# Altium PCB Bran_Main_Assay_PCB_v2.PcbDoc (part 9 of 15) (continued)
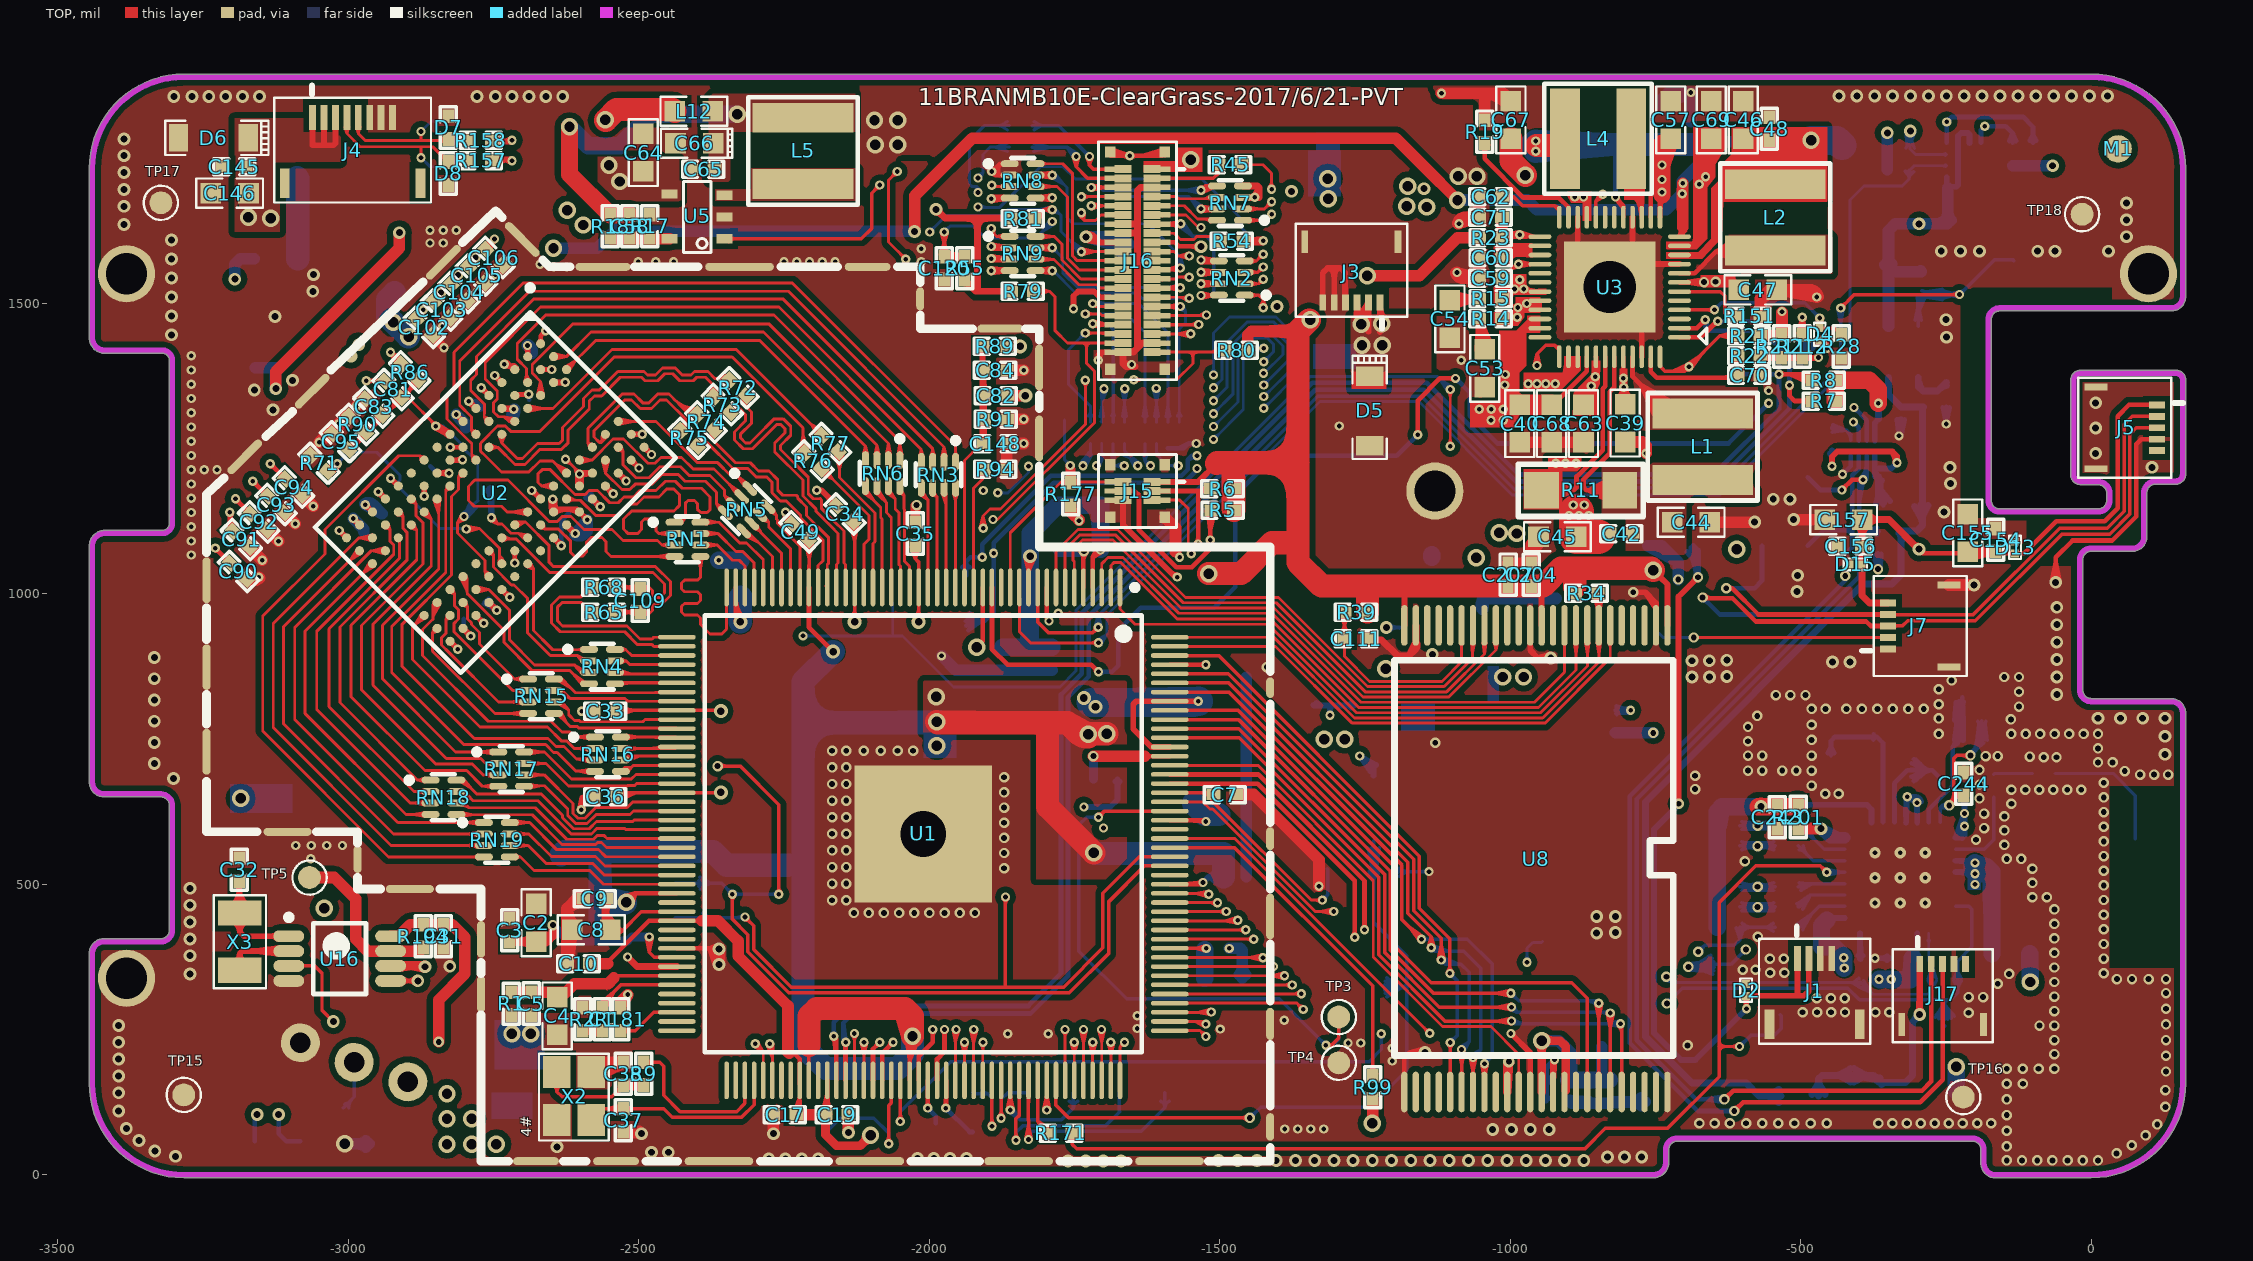
[diagram p0: TOP view]
## Nets (pads, with @x,y where several pads share a name; then routed paths per layer and width w, separated by ;. In a path a pad name is that pad's centre, name@x,y a point inside that pad or via, vN(x,y) a via of type N, cw(c..) or ccw(c..) an arc to the next point about the centre after c; other vN are vias at no path point) (continued)
N16974977: J16.4 R46.1 | length 627.2
  TOP w6: v1@-1752.42,1752.31 -1747.46,1735 ; v1@-1752.32,1751.83 -1747.88,1744.05 ; v1@-1752.2,1751.39 -1747.05,1744.05 ; v1@-1751,1749.46 cw(c-1759.54,1740.93) -1747.46,1740.93 cw(c-1735.39,1740.93) v1@-1743.93,1749.46 ; v1@-1742.73,1751.39 -1747.88,1744.05 ; v1@-1742.6,1751.83 -1747.05,1744.05 ; v1@-1742.51,1752.31 -1747.46,1735 ; -1716.82,1715.35 J16.4@-1694.09,1715.35 ; J16.4@-1685.83,1715.35 J16.4@-1666.73,1715.35 J16.4@-1689.96,1715.35 -1727.82,1715.35 -1747.46,1735 ; -1747.88,1744.05 v1(-1747.46,1753) ; -1747.46,1735 v1(-1747.46,1753) ; -1747.46,1735 v1(-1747.46,1753) ; v1(-1747.46,1753) -1747.05,1744.05
  BOTTOM w6: R46.1@-1822.78,1769 -1763.46,1769 ; R46.1@-1819.97,1762.21 -1792.97,1769 ; R46.1@-1819.97,1775.79 -1792.97,1769 ; R46.1@-1819.2,1762.35 -1808.57,1768.44 ; R46.1@-1819.2,1775.65 -1808.57,1769.56 ; R46.1@-1818.6,1762.52 -1808.57,1769.56 ; R46.1@-1818.6,1775.48 -1808.57,1768.44 ; R46.1@-1815.97,1764.16 cw(c-1804.29,1752.48) -1804.29,1769 cw(c-1804.29,1785.52) R46.1@-1815.97,1773.84 ; v1@-1752.46,1753 ccw(c-1764.54,1753) -1756,1761.54 ccw(c-1747.46,1770.07) v1@-1747.46,1758 ; v1@-1751.37,1749.88 -1763.46,1769 ; v1@-1744.34,1756.9 -1763.46,1769 ; R46.1@-1820.81,1769 -1792.97,1769 ; R46.1@-1820.81,1769 -1808.57,1769.56 ; R46.1@-1820.81,1769 -1808.57,1768.44 ; -1763.46,1769 v1(-1747.46,1753) -1763.46,1769
N16975074: J16.2 R44.1 | length 473.8
  TOP w6: v1@-1729.39,1752.17 -1724.46,1738 ; v1@-1729.32,1751.83 -1724.88,1744.05 ; v1@-1729.2,1751.39 -1724.05,1744.05 ; v1@-1728,1749.46 cw(c-1736.54,1740.93) -1724.46,1740.93 cw(c-1712.39,1740.93) v1@-1720.93,1749.46 ; v1@-1719.73,1751.39 -1724.88,1744.05 ; v1@-1719.6,1751.83 -1724.05,1744.05 ; v1@-1719.53,1752.17 -1724.46,1738 ; -1716.82,1731.1 J16.2@-1694.09,1731.1 ; J16.2@-1685.83,1731.1 J16.2@-1666.73,1731.1 J16.2@-1689.96,1731.1 -1717.57,1731.1 -1724.46,1738 ; -1724.88,1744.05 v1(-1724.46,1753) ; -1724.46,1738 v1(-1724.46,1753) ; -1724.46,1738 v1(-1724.46,1753) ; v1(-1724.46,1753) -1724.05,1744.05
  BOTTOM w6: R44.1@-1822.78,1806 -1777.46,1806 v1(-1724.46,1753) ; R44.1@-1819.2,1799.35 -1808.57,1805.44 ; R44.1@-1819.2,1812.65 -1808.57,1806.56 ; R44.1@-1818.6,1799.52 -1808.57,1806.56 ; R44.1@-1818.6,1812.48 -1808.57,1805.44 ; R44.1@-1815.97,1801.16 cw(c-1804.29,1789.48) -1804.29,1806 cw(c-1804.29,1822.52) R44.1@-1815.97,1810.84 ; v1@-1729.46,1753 ccw(c-1741.54,1753) -1733,1761.54 ccw(c-1724.46,1770.07) v1@-1724.46,1758 ; -1808.57,1805.44 -1820.81,1806 -1808.57,1806.56
N16976082: J16.6 RN7.5 | length 1195.1
  TOP w6: v1@-1720.29,1694.75 -1712.52,1699.19 ; v1@-1720.31,1699.61 J16.6@-1689.96,1699.61 J16.6@-1666.73,1699.61 J16.6@-1685.83,1699.61 ; v1@-1720.29,1704.47 -1712.52,1700.02 ; v1@-1719.85,1694.87 -1712.52,1700.02 ; v1@-1719.85,1704.34 -1712.52,1699.19 ; v1@-1717.93,1696.07 cw(c-1709.39,1687.54) -1709.39,1699.61 cw(c-1709.39,1711.68) v1@-1717.93,1703.14 ; v1@-1716.82,1699.61 J16.6@-1694.09,1699.61 ; v1@-1534.56,1699.27 -1524.46,1701.21 ; v1@-1533.38,1699.65 RN7.5@-1514.91,1700.6 ; v1@-1533.34,1699.66 RN7.5@-1504.82,1702.27 ; v1@-1533.2,1695.4 cw(c-1517.99,1681.99) RN7.5@-1517.99,1702.27 ; v1@-1531.99,1699.72 ccw(c-1531.17,1708.52) -1524.92,1702.27 ; v1@-1530.72,1690.05 RN7.5@-1504.82,1702.27 ; v1@-1530.24,1690.26 RN7.5@-1514.91,1700.6 ; v1@-1528.7,1691.43 cw(c-1504.7,1670.28) RN7.5@-1504.7,1702.27 -1524.92,1702.27 ; v1@-1528.45,1691.74 -1524.46,1701.21 ; v1@-1528.13,1699.55 RN7.5@-1514.2,1702.27 ; v1@-1527.47,1695.2 cw(c-1518.67,1696.02) -1524.92,1702.27 ; -1520.7,1697.98 RN7.5@-1514.2,1702.27 ; RN7.5@-1516.32,1700.15 ccw(c-1521.44,1695.03) -1521.44,1702.27 ccw(c-1521.44,1709.51) RN7.5@-1516.32,1704.39 ; v1(-1721.46,1699.61) J16.6@-1695.46,1699.61 ; v1(-1721.46,1699.61) -1712.52,1700.02 ; v1(-1721.46,1699.61) -1712.52,1699.19 ; v1(-1721.46,1699.61) J16.6@-1695.46,1699.61 ; J16.6@-1695.46,1699.61 -1720.98,1694.63 J16.6@-1695.46,1699.61 ; J16.6@-1695.46,1699.61 -1720.98,1704.58 J16.6@-1695.46,1699.61 ; v1(-1532.45,1694.74) RN7.5@-1514.2,1702.27 ; v1(-1532.45,1694.74) RN7.5@-1514.2,1702.27 ; v1(-1532.45,1694.74) -1524.46,1701.21 ; v1(-1532.45,1694.74) RN7.5@-1514.91,1700.6 ; v1(-1532.45,1694.74) RN7.5@-1504.82,1702.27 ; v1(-1532.45,1694.74) -1524.92,1702.27 ; -1524.92,1702.27 RN7.5@-1514.2,1702.27 ; RN7.5@-1514.2,1702.27 -1529.97,1690.4 RN7.5@-1514.2,1702.27 ; RN7.5@-1514.2,1702.27 -1533.76,1699.57 RN7.5@-1514.2,1702.27
  BOTTOM w6: v1@-1720.66,1694.67 -1705.94,1699.61 ; v1@-1720.66,1704.54 -1705.94,1699.61 ; v1@-1720.29,1694.75 -1712.52,1699.19 ; v1@-1720.29,1704.47 -1712.52,1700.02 ; v1@-1719.85,1694.87 -1712.52,1700.02 ; v1@-1719.85,1704.34 -1712.52,1699.19 ; v1@-1717.93,1696.07 cw(c-1709.39,1687.54) -1709.39,1699.61 cw(c-1709.39,1711.68) v1@-1717.93,1703.14 ; v1@-1535.98,1691.2 ccw(c-1544.52,1682.67) -1544.52,1694.74 ccw(c-1544.52,1706.81) v1@-1535.98,1698.28 ; v1@-1534.06,1690.01 -1541.4,1695.15 ; v1@-1534.06,1699.47 -1541.4,1694.33 ; v1@-1533.62,1689.88 -1541.4,1694.33 ; v1@-1533.62,1699.6 -1541.4,1695.15 ; v1@-1532.93,1689.76 -1558.45,1694.74 ; v1@-1532.93,1699.72 -1558.45,1694.74 ; v1(-1721.46,1699.61) -1712.52,1700.02 ; v1(-1721.46,1699.61) -1712.52,1699.19 ; v1(-1721.46,1699.61) -1705.94,1699.61 ; -1705.94,1699.61 -1701.08,1694.74 v1(-1532.45,1694.74) ; -1558.45,1694.74 v1(-1532.45,1694.74) ; -1541.4,1694.33 v1(-1532.45,1694.74) ; -1541.4,1695.15 v1(-1532.45,1694.74)
N16976085: J16.7 RN7.6 | length 208.3
  TOP w5: J16.7@-1599.21,1682.29 ccw(c-1603.01,1678.49) -1603.01,1683.86 ccw(c-1603.01,1689.23) J16.7@-1599.21,1685.43 ; J16.7@-1597.64,1683.86 J16.7@-1616.73,1683.86 J16.7@-1593.5,1683.86 -1574.45,1683.86 ; J16.7@-1589.37,1683.86 -1574.45,1683.86 ; J16.7@-1587.8,1682.29 cw(c-1584,1678.49) -1584,1683.86 cw(c-1584,1689.23) J16.7@-1587.8,1685.43 ; -1528.3,1680.24 ccw(c-1528.3,1696.68) RN7.6@-1516.67,1685.06 ; RN7.6@-1515.41,1685.86 -1524.04,1680.8 ; RN7.6@-1514.19,1679.08 -1524.04,1680.8 ; RN7.6@-1514.2,1682.58 -1524.04,1680.8 ; RN7.6@-1504.7,1682.58 -1507.04,1680.24 -1570.83,1680.24 -1574.45,1683.86
N16976088: J16.8 RN7.7 | length 1447.4
  TOP w5: v1@-1738.18,1683.86 J16.8@-1689.96,1683.86 J16.8@-1666.73,1683.86 J16.8@-1685.83,1683.86 ; v1@-1737.04,1689.09 -1728.64,1684.3 ; v1@-1736.98,1678.4 -1728.28,1683.39 ; v1@-1736.61,1688.97 -1728.28,1683.39 ; v1@-1736.44,1678.57 -1728.64,1684.3 ; v1@-1734.41,1679.85 cw(c-1724.74,1670.18) -1724.74,1683.86 ; v1@-1734.41,1687.63 ccw(c-1725.31,1696.73) -1725.31,1683.86 ; -1713.82,1683.86 J16.8@-1694.09,1683.86 ; J16.8@-1695.67,1682.29 ccw(c-1699.46,1678.49) -1699.46,1683.86 ccw(c-1699.46,1689.23) J16.8@-1695.67,1685.43 ; J16.8@-1684.25,1682.29 cw(c-1680.46,1678.49) -1680.46,1683.86 cw(c-1680.46,1689.23) J16.8@-1684.25,1685.43 ; v1@-1535.45,1662.74 v1(-1532.45,1662.74) ; v1@-1532.59,1657.24 RN7.7@-1515.21,1659.55 ; v1@-1531.83,1668.21 RN7.7@-1509.45,1662.9 ; v1@-1531.75,1657.28 RN7.7@-1509.45,1662.9 ; v1@-1531.2,1668.1 -1522.85,1663.33 ; v1@-1531.11,1657.4 -1522.36,1662.43 ; v1@-1530.79,1667.98 -1522.36,1662.43 ; v1@-1530.64,1667.93 RN7.7@-1514.54,1659.42 ; v1@-1530.67,1667.94 RN7.7@-1514.17,1659.4 ; v1@-1530.58,1657.57 RN7.7@-1514.21,1666.4 ; v1@-1530.61,1667.92 RN7.7@-1515.21,1659.55 ; v1@-1530.52,1657.59 RN7.7@-1515.27,1666.23 ; v1@-1528.56,1658.85 cw(c-1518.78,1649.08) RN7.7@-1518.78,1662.9 ; v1@-1528.56,1666.63 ccw(c-1519.56,1675.63) RN7.7@-1519.56,1662.9 ; RN7.7@-1516.67,1660.43 ccw(c-1522.65,1654.45) -1522.65,1662.9 ccw(c-1522.65,1671.35) RN7.7@-1516.67,1665.38 ; RN7.7@-1515.33,1659.59 -1520.46,1663.19 ; RN7.7@-1515.33,1666.21 -1520.46,1662.61 ; RN7.7@-1515.02,1659.5 -1520.46,1662.61 ; RN7.7@-1515.02,1666.3 -1520.46,1663.19 ; RN7.7@-1504.7,1662.9 v1@-1532.29,1662.9 ; -1728.64,1684.3 v1(-1738.3,1683.74) -1728.28,1683.39 ; v1@-1532.72,1668.23 RN7.7@-1514.21,1666.4 ; v1@-1532.69,1668.24 RN7.7@-1515.27,1666.23 ; v1@-1532.72,1668.23 RN7.7@-1514.54,1666.38 ; v1(-1532.45,1662.74) RN7.7@-1514.2,1662.9 ; v1(-1532.45,1662.74) RN7.7@-1514.21,1666.4 ; v1(-1532.45,1662.74) RN7.7@-1515.21,1659.55 ; v1(-1532.45,1662.74) RN7.7@-1514.2,1662.9 ; v1(-1532.45,1662.74) RN7.7@-1515.27,1666.23 ; v1(-1532.45,1662.74) RN7.7@-1514.17,1659.4 ; v1(-1532.45,1662.74) RN7.7@-1514.2,1662.9 ; v1(-1532.45,1662.74) RN7.7@-1514.54,1666.38 ; v1(-1532.45,1662.74) RN7.7@-1514.54,1659.42 ; v1(-1532.45,1662.74) -1522.85,1663.33 ; v1(-1532.45,1662.74) -1522.36,1662.43 ; v1(-1532.45,1662.74) RN7.7@-1509.45,1662.9 ; v1(-1532.45,1662.74) v1@-1532.29,1662.9 ; v1@-1532.29,1662.9 RN7.7@-1514.2,1662.9 ; v1@-1532.29,1662.9 RN7.7@-1514.54,1666.38 ; v1@-1532.29,1662.9 RN7.7@-1514.54,1659.42 ; v1@-1531.67,1668.18 RN7.7@-1514.2,1662.9 ; v1@-1531.67,1668.18 RN7.7@-1514.2,1662.9 ; v1@-1531.67,1668.18 RN7.7@-1514.2,1662.9 ; v1@-1531.57,1657.31 RN7.7@-1514.2,1662.9 ; v1@-1531.57,1657.31 RN7.7@-1514.2,1662.9 ; v1@-1531.57,1657.31 RN7.7@-1514.2,1662.9 ; v1@-1525.92,1664.61 RN7.7@-1514.2,1662.9 ; v1@-1525.92,1664.61 RN7.7@-1514.21,1666.4 ; v1@-1525.92,1664.61 RN7.7@-1515.21,1659.55 ; v1@-1525.7,1661.05 RN7.7@-1514.2,1662.9 ; v1@-1525.7,1661.05 RN7.7@-1515.27,1666.23 ; v1@-1525.7,1661.05 RN7.7@-1514.17,1659.4 ; -1522.85,1663.33 -1530.55,1657.58 RN7.7@-1514.54,1666.38 ; -1520.46,1662.61 RN7.7@-1514.2,1662.9 ; -1520.46,1663.19 RN7.7@-1514.2,1662.9 ; RN7.7@-1514.54,1659.42 -1532.62,1657.24 RN7.7@-1514.17,1659.4
  BOTTOM w5: v1@-1737.01,1678.39 -1728.46,1683.29 ; v1@-1737.01,1689.09 -1728.46,1684.19 ; v1@-1736.52,1678.53 -1728.46,1684.19 ; v1@-1736.52,1688.95 -1728.46,1683.29 ; v1@-1734.41,1679.85 cw(c-1725.02,1670.46) -1725.02,1683.74 cw(c-1725.02,1697.02) v1@-1734.41,1687.63 ; v1@-1537.95,1662.74 ccw(c-1551.23,1662.74) -1541.84,1672.13 ccw(c-1532.45,1681.52) v1@-1532.45,1668.24 ; v1@-1536.72,1659.28 -1551.06,1681.35 ; v1@-1528.99,1667.01 -1551.06,1681.35 ; v1(-1738.3,1683.74) -1728.46,1684.19 ; v1(-1738.3,1683.74) -1728.46,1683.29 ; v1(-1738.3,1683.74) -1553.45,1683.74 v1(-1532.45,1662.74) -1551.06,1681.35
N16976091: J16.9 RN7.8 | length 218.6
  TOP w5: J16.9@-1599.21,1666.54 ccw(c-1603.01,1662.74) -1603.01,1668.11 ccw(c-1603.01,1673.48) J16.9@-1599.21,1669.68 ; J16.9@-1597.64,1668.11 J16.9@-1616.73,1668.11 J16.9@-1593.5,1668.11 -1561.32,1668.11 -1538.45,1645.24 -1506.73,1645.24 RN7.8@-1504.7,1643.21 ; J16.9@-1589.37,1668.11 -1569.65,1668.11 ; J16.9@-1587.8,1666.54 cw(c-1584,1662.74) -1584,1668.11 cw(c-1584,1673.48) J16.9@-1587.8,1669.68 ; -1527.55,1645.24 cw(c-1527.55,1629.86) RN7.8@-1516.67,1640.74 ; RN7.8@-1515.38,1639.92 -1523.57,1644.72 ; RN7.8@-1514.29,1646.71 -1523.57,1644.72 ; RN7.8@-1514.2,1643.21 -1523.57,1644.72
N16976439: J16.15 R54.1 | length 174.5
  TOP w5: J16.15@-1599.21,1619.29 ccw(c-1603.01,1615.5) -1603.01,1620.87 ccw(c-1603.01,1626.24) J16.15@-1599.21,1622.44 ; J16.15@-1597.64,1620.87 J16.15@-1616.73,1620.87 J16.15@-1593.5,1620.87 -1578.45,1620.87 ; J16.15@-1589.37,1620.87 -1578.45,1620.87 ; J16.15@-1587.8,1619.29 cw(c-1584,1615.5) -1584,1620.87 cw(c-1584,1626.24) J16.15@-1587.8,1622.44 ; R54.1@-1499.13,1606.74 -1507.63,1615.24 -1539.7,1615.24 -1544.7,1610.24 -1567.82,1610.24 -1578.45,1620.87
N16977236: J16.25 RN8.5 | length 1381.1
  TOP w5: RN8.5@-1816.68,1682 RN8.5@-1817.21,1681.47 -1788.3,1681.47 v1@-1787.99,1681.47 ; RN8.5@-1806.89,1678.07 -1801.45,1681.18 ; RN8.5@-1806.89,1684.87 -1801.45,1681.76 ; RN8.5@-1806.58,1678.16 -1801.45,1681.76 ; RN8.5@-1806.58,1684.78 -1801.45,1681.18 ; RN8.5@-1805.24,1679 cw(c-1799.26,1673.02) -1799.26,1681.47 cw(c-1799.26,1689.92) RN8.5@-1805.24,1683.94 ; RN8.5@-1802.86,1681.47 ccw(c-1802.86,1696.56) v1@-1792.19,1685.89 ; -1800.3,1681.47 cw(c-1800.3,1670) v1@-1792.19,1678.11 ; v1@-1790.49,1687.05 -1797.33,1681.08 ; v1@-1789.88,1676.73 RN8.5@-1807.79,1684.97 ; v1@-1789.9,1676.74 RN8.5@-1807.4,1684.96 ; v1@-1789.73,1687.31 -1798.95,1681.98 ; v1@-1789.71,1676.68 -1798.95,1681.98 ; v1@-1789.43,1676.62 -1797.33,1681.08 ; v1@-1789.08,1687.44 RN8.5@-1811.31,1681.47 ; v1@-1788.83,1676.53 RN8.5@-1811.31,1681.47 ; v1@-1787.46,1682 -1787.88,1681.58 v1@-1787.99,1681.47 ; J16.25@-1599.21,1540.55 ccw(c-1603.01,1536.76) -1603.01,1542.13 ccw(c-1603.01,1547.5) J16.25@-1599.21,1543.7 ; J16.25@-1597.64,1542.13 J16.25@-1616.73,1542.13 J16.25@-1593.5,1542.13 -1575.94,1542.13 ; J16.25@-1589.37,1542.13 -1575.94,1542.13 ; J16.25@-1587.8,1540.55 cw(c-1584,1536.76) -1584,1542.13 cw(c-1584,1547.5) J16.25@-1587.8,1543.7 ; v1@-1556.34,1541.35 ccw(c-1565.73,1531.96) -1565.73,1545.24 ccw(c-1565.73,1558.52) v1@-1556.34,1549.13 ; v1@-1554.22,1540.03 -1562.29,1545.69 ; v1@-1554.22,1550.45 -1562.29,1544.79 ; v1@-1553.74,1539.89 -1562.29,1544.79 ; v1@-1553.74,1550.59 -1562.29,1545.69 ; RN8.5@-1811.31,1681.47 v1(-1788.3,1682) ; RN8.5@-1807.79,1684.97 v1(-1788.3,1682) ; RN8.5@-1807.79,1684.97 -1788.24,1687.5 RN8.5@-1807.4,1684.96 ; RN8.5@-1807.79,1684.97 v1@-1795.31,1683.49 ; RN8.5@-1807.71,1681.47 v1(-1788.3,1682) ; RN8.5@-1807.71,1681.47 -1789.23,1687.42 RN8.5@-1807.71,1681.47 ; RN8.5@-1807.71,1681.47 -1788.93,1676.54 RN8.5@-1807.71,1681.47 ; RN8.5@-1807.71,1681.47 v1(-1788.3,1682) ; RN8.5@-1807.71,1681.47 v1@-1787.99,1681.47 ; RN8.5@-1807.71,1681.47 v1@-1795.31,1683.49 ; RN8.5@-1807.71,1681.47 -1801.45,1681.76 ; RN8.5@-1807.71,1681.47 -1801.45,1681.18 ; RN8.5@-1807.4,1677.98 v1(-1788.3,1682) ; RN8.5@-1807.4,1677.98 -1790.18,1687.17 RN8.5@-1806.68,1678.13 ; RN8.5@-1807.4,1677.98 -1787.94,1676.51 RN8.5@-1806.68,1678.13 ; RN8.5@-1807.4,1677.98 v1@-1787.99,1681.47 ; RN8.5@-1807.4,1684.96 v1(-1788.3,1682) ; RN8.5@-1807.4,1684.96 v1@-1787.99,1681.47 ; RN8.5@-1806.68,1678.13 v1(-1788.3,1682) ; RN8.5@-1806.68,1678.13 v1@-1795.31,1683.49 ; -1798.95,1681.98 v1(-1788.3,1682) ; -1797.33,1681.08 v1(-1788.3,1682) ; -1575.94,1542.13 -1572.83,1545.24 v1(-1552.45,1545.24) ; -1562.29,1544.79 v1(-1552.45,1545.24) ; -1562.29,1545.69 v1(-1552.45,1545.24)
  Singal w5: v1@-1787.46,1682 v1(-1788.3,1682) ; v1@-1556.34,1541.35 ccw(c-1565.73,1531.96) -1565.73,1545.24 ccw(c-1565.73,1558.52) v1@-1556.34,1549.13 ; v1@-1554.22,1540.03 -1562.29,1545.69 ; v1@-1554.22,1550.45 -1562.29,1544.79 ; v1@-1553.74,1539.89 -1562.29,1544.79 ; v1@-1553.74,1550.59 -1562.29,1545.69 ; -1799.29,1682 cw(c-1799.29,1673.77) -1792.7,1678.7 ccw(c-1799.29,1673.77) -1799.29,1682 ; -1799.29,1682 ccw(c-1799.29,1690.23) -1792.7,1685.3 cw(c-1799.29,1690.23) -1799.29,1682 ; -1799.29,1682 v1(-1788.3,1682) ; -1799.29,1682 v1(-1788.3,1682) ; -1799.29,1682 -1811.3,1669.99 -1811.3,1585.99 -1798.3,1572.99 -1778.3,1572.99 -1750.55,1545.24 v1(-1552.45,1545.24) ; -1562.29,1544.79 v1(-1552.45,1545.24) ; -1562.29,1545.69 v1(-1552.45,1545.24)
N16977237: J16.24 RN8.6 | length 427.1
  TOP w5: RN8.6@-1807.42,1697.67 -1786.71,1701.16 ; RN8.6@-1807.42,1704.65 -1786.71,1701.16 ; RN8.6@-1806.89,1697.76 -1801.45,1700.87 ; RN8.6@-1806.89,1704.56 -1801.45,1701.45 ; RN8.6@-1806.58,1697.85 -1801.45,1701.45 ; RN8.6@-1806.58,1704.47 -1801.45,1700.87 ; RN8.6@-1805.24,1698.69 cw(c-1799.26,1692.71) -1799.26,1701.16 cw(c-1799.26,1709.61) RN8.6@-1805.24,1703.63 ; RN8.6@-1803.21,1701.16 -1780.3,1701.16 -1762.3,1683.16 -1762.3,1577.8 -1742.38,1557.87 J16.24@-1689.96,1557.87 J16.24@-1666.73,1557.87 J16.24@-1685.83,1557.87 ; -1713.82,1557.87 J16.24@-1694.09,1557.87 ; J16.24@-1695.67,1556.3 ccw(c-1699.46,1552.5) -1699.46,1557.87 ccw(c-1699.46,1563.24) J16.24@-1695.67,1559.45 ; J16.24@-1684.25,1556.3 cw(c-1680.46,1552.5) -1680.46,1557.87 cw(c-1680.46,1563.24) J16.24@-1684.25,1559.45 ; RN8.6@-1807.71,1701.16 -1786.71,1701.16 ; RN8.6@-1807.71,1701.16 -1801.45,1701.45 ; RN8.6@-1807.71,1701.16 -1801.45,1700.87
N16977238: J16.23 RN8.7 | length 1474.5
  TOP w5: RN8.7@-1817.21,1720.84 v1(-1788.3,1720.84) ; RN8.7@-1806.89,1717.44 -1801.45,1720.55 ; RN8.7@-1806.89,1724.24 -1801.45,1721.13 ; RN8.7@-1806.58,1717.53 -1801.45,1721.13 ; RN8.7@-1806.58,1724.15 -1801.45,1720.55 ; RN8.7@-1805.24,1718.37 cw(c-1799.26,1712.39) -1799.26,1720.84 cw(c-1799.26,1729.29) RN8.7@-1805.24,1723.31 ; v1@-1792.19,1716.95 ccw(c-1801.58,1707.56) -1801.58,1720.84 ccw(c-1801.58,1734.12) v1@-1792.19,1724.73 ; v1@-1790.08,1715.63 -1798.14,1721.29 ; v1@-1790.08,1726.05 -1798.14,1720.39 ; v1@-1790.04,1715.62 RN8.7@-1807.4,1724.33 ; v1@-1790.04,1726.06 RN8.7@-1807.4,1717.35 ; v1@-1789.59,1715.49 -1798.14,1720.39 ; v1@-1789.59,1726.19 -1798.14,1721.29 ; v1@-1789.08,1715.4 RN8.7@-1807.71,1720.84 ; v1@-1789.08,1726.28 RN8.7@-1807.71,1720.84 ; v1@-1788.96,1715.38 RN8.7@-1811.3,1720.84 ; v1@-1788.96,1726.3 RN8.7@-1811.3,1720.84 ; v1@-1788.09,1715.34 RN8.7@-1807.4,1717.35 ; v1@-1788.09,1726.34 RN8.7@-1807.4,1724.33 ; v1@-1784.3,1720.84 v1(-1788.3,1720.84) ; J16.23@-1599.21,1556.3 ccw(c-1603.01,1552.5) -1603.01,1557.87 ccw(c-1603.01,1563.24) J16.23@-1599.21,1559.45 ; J16.23@-1597.64,1557.87 J16.23@-1616.73,1557.87 J16.23@-1593.5,1557.87 v1@-1571.06,1557.87 ; J16.23@-1588.75,1557.87 ccw(c-1588.75,1581.8) v1@-1571.83,1564.88 ; J16.23@-1587.8,1556.3 cw(c-1584,1552.5) -1584,1557.87 cw(c-1584,1563.24) J16.23@-1587.8,1559.45 ; -1576.68,1557.87 ccw(c-1576.68,1569.73) v1@-1568.3,1561.35 ; v1@-1569.8,1566.17 -1582.56,1558.69 ; v1@-1569.71,1555.78 -1576.79,1561.08 ; v1@-1569.6,1566.24 -1576.79,1561.08 ; v1@-1569.3,1566.32 J16.23@-1591.39,1557.87 ; v1@-1568.11,1555.49 -1582.56,1558.69 ; RN8.7@-1811.3,1720.84 v1(-1788.3,1720.84) ; RN8.7@-1807.71,1720.84 v1(-1788.3,1720.84) ; RN8.7@-1807.71,1720.84 v1(-1788.3,1720.84) ; RN8.7@-1807.71,1720.84 -1801.45,1721.13 ; RN8.7@-1807.71,1720.84 -1801.45,1720.55 ; RN8.7@-1807.4,1717.35 v1(-1788.3,1720.84) ; RN8.7@-1807.4,1717.35 v1(-1788.3,1720.84) ; RN8.7@-1807.4,1724.33 v1(-1788.3,1720.84) ; RN8.7@-1807.4,1724.33 v1(-1788.3,1720.84) ; -1798.14,1720.39 v1(-1788.3,1720.84) ; -1798.14,1721.29 v1(-1788.3,1720.84) ; J16.23@-1591.39,1557.87 v1(-1567.94,1560.99) ; J16.23@-1591.39,1557.87 v1@-1567.86,1555.49 ; J16.23@-1589.37,1557.87 v1(-1567.94,1560.99) ; J16.23@-1589.37,1557.87 -1569.42,1566.29 J16.23@-1589.37,1557.87 ; J16.23@-1589.37,1557.87 v1@-1567.85,1555.49 ; J16.23@-1589.37,1557.87 v1(-1567.94,1560.99) ; J16.23@-1589.37,1557.87 v1@-1567.85,1555.49 ; J16.23@-1589.37,1557.87 -1576.79,1561.08 ; J16.23@-1589.37,1557.87 v1@-1571.06,1557.87 ; -1582.56,1558.69 v1(-1567.94,1560.99) ; -1576.79,1561.08 v1(-1567.94,1560.99) ; v1@-1571.06,1557.87 v1(-1567.94,1560.99)
  BOTTOM w5: v1@-1791.26,1716.21 -1768.17,1704.7 ; v1@-1790.69,1715.88 -1776.84,1712.27 ; v1@-1788.3,1715.34 cw(c-1788.3,1692.42) -1772.09,1708.63 ; v1@-1788.3,1720.34 cw(c-1788.3,1709.49) -1780.63,1717.16 ; v1@-1784.42,1724.74 -1768.17,1704.7 ; v1@-1784.3,1720.84 -1763.3,1699.83 -1763.3,1647.99 -1752.55,1637.24 -1624.19,1637.24 -1567.94,1580.99 ; v1@-1784.22,1724.53 -1776.84,1712.27 ; v1@-1573.39,1561.75 -1567.94,1580.99 ; v1@-1573.29,1562.28 -1568.4,1570.83 ; v1@-1573.15,1562.77 -1567.49,1570.83 ; v1@-1571.83,1564.88 ccw(c-1581.22,1574.27) -1567.94,1574.27 ccw(c-1554.67,1574.27) v1@-1564.06,1564.88 ; v1@-1562.74,1562.77 -1568.4,1570.83 ; v1@-1562.6,1562.28 -1567.49,1570.83 ; v1@-1562.5,1561.75 -1567.94,1580.99 ; -1776.84,1712.27 v1(-1788.3,1720.84) -1768.17,1704.7 ; -1568.4,1570.83 v1(-1567.94,1560.99) ; v1(-1567.94,1560.99) -1567.49,1570.83 ; v1(-1567.94,1560.99) -1567.94,1580.99
N16977239: J16.22 RN8.8 | length 409.3
  TOP w5: RN8.8@-1817.21,1740.53 -1770.46,1740.53 -1753.3,1723.36 -1753.3,1581.52 -1745.4,1573.62 J16.22@-1689.96,1573.62 J16.22@-1666.73,1573.62 J16.22@-1685.83,1573.62 ; RN8.8@-1806.89,1737.13 -1801.45,1740.24 ; RN8.8@-1806.89,1743.93 -1801.45,1740.82 ; RN8.8@-1806.58,1737.22 -1801.45,1740.82 ; RN8.8@-1806.58,1743.84 -1801.45,1740.24 ; RN8.8@-1805.24,1738.06 cw(c-1799.26,1732.08) -1799.26,1740.53 cw(c-1799.26,1748.98) RN8.8@-1805.24,1743 ; -1713.82,1573.62 J16.22@-1694.09,1573.62 ; J16.22@-1695.67,1572.05 ccw(c-1699.46,1568.25) -1699.46,1573.62 ccw(c-1699.46,1578.99) J16.22@-1695.67,1575.19 ; J16.22@-1684.25,1572.05 cw(c-1680.46,1568.25) -1680.46,1573.62 cw(c-1680.46,1578.99) J16.22@-1684.25,1575.19 ; -1801.45,1740.24 -1807.71,1740.53 -1801.45,1740.82
N16977240: J16.29 RN9.5 | length 975.4
  TOP w5: RN9.5@-1817.21,1556.47 v1(-1788.3,1556.47) ; RN9.5@-1806.89,1553.07 -1801.45,1556.18 ; RN9.5@-1806.89,1559.87 -1801.45,1556.76 ; RN9.5@-1806.58,1553.16 -1801.45,1556.76 ; RN9.5@-1806.58,1559.78 -1801.45,1556.18 ; RN9.5@-1805.24,1554 cw(c-1799.26,1548.02) -1799.26,1556.47 cw(c-1799.26,1564.92) RN9.5@-1805.24,1558.94 ; v1@-1792.19,1552.58 ccw(c-1801.58,1543.19) -1801.58,1556.47 ccw(c-1801.58,1569.75) v1@-1792.19,1560.36 ; v1@-1790.08,1551.26 -1798.14,1556.92 ; v1@-1790.08,1561.68 -1798.14,1556.02 ; v1@-1790.04,1551.25 RN9.5@-1807.4,1559.96 ; v1@-1790.04,1561.69 RN9.5@-1807.4,1552.98 ; v1@-1789.59,1551.12 -1798.14,1556.02 ; v1@-1789.59,1561.82 -1798.14,1556.92 ; v1@-1789.08,1551.03 RN9.5@-1807.71,1556.47 ; v1@-1789.08,1561.91 RN9.5@-1807.71,1556.47 ; v1@-1788.96,1551.01 RN9.5@-1811.3,1556.47 ; v1@-1788.96,1561.93 RN9.5@-1811.3,1556.47 ; v1@-1788.09,1550.97 RN9.5@-1807.4,1552.98 ; v1@-1788.09,1561.97 RN9.5@-1807.4,1559.96 ; v1@-1786.93,1556.47 v1(-1788.3,1556.47) ; J16.29@-1599.21,1509.06 ccw(c-1603.01,1505.26) -1603.01,1510.63 ccw(c-1603.01,1516) J16.29@-1599.21,1512.2 ; J16.29@-1597.64,1510.63 J16.29@-1616.73,1510.63 J16.29@-1593.5,1510.63 v1@-1554.34,1510.63 ; J16.29@-1589.37,1510.63 -1569.65,1510.63 ; J16.29@-1587.8,1509.06 cw(c-1584,1505.26) -1584,1510.63 cw(c-1584,1516) J16.29@-1587.8,1512.2 ; -1570.29,1510.63 cw(c-1570.29,1490.9) v1@-1556.34,1504.85 ; -1561.16,1510.63 ccw(c-1561.16,1517.46) v1@-1556.34,1512.63 ; v1@-1554.14,1503.51 -1565.18,1509.96 ; v1@-1553.11,1514.2 -1565.18,1509.96 ; v1(-1552.45,1508.74) -1565.18,1509.96 ; RN9.5@-1811.3,1556.47 v1(-1788.3,1556.47) ; RN9.5@-1807.71,1556.47 v1(-1788.3,1556.47) ; RN9.5@-1807.71,1556.47 v1(-1788.3,1556.47) ; RN9.5@-1807.71,1556.47 -1801.45,1556.76 ; RN9.5@-1807.71,1556.47 -1801.45,1556.18 ; RN9.5@-1807.4,1552.98 v1(-1788.3,1556.47) ; RN9.5@-1807.4,1552.98 v1(-1788.3,1556.47) ; RN9.5@-1807.4,1559.96 v1(-1788.3,1556.47) ; RN9.5@-1807.4,1559.96 v1(-1788.3,1556.47) ; -1798.14,1556.02 v1(-1788.3,1556.47) ; -1798.14,1556.92 v1(-1788.3,1556.47)
  BOTTOM w5: v1@-1786.69,1556.47 -1786.93,1556.47 -1748.7,1518.24 -1642.95,1518.24 -1633.45,1508.74 -1575.95,1508.74 -1575.45,1509.24 -1552.95,1509.24 v1(-1552.45,1508.74) ; -1566.93,1509.24 cw(c-1566.93,1494.25) v1@-1556.34,1504.85 ; -1564.52,1509.24 ccw(c-1564.52,1520.81) v1@-1556.34,1512.63 ; v1@-1554.61,1503.68 -1561.53,1509.63 ; v1@-1553.88,1514.05 -1563.06,1508.73 ; v1@-1553.87,1503.43 -1563.06,1508.73 ; v1@-1553.58,1514.12 -1561.53,1509.63 ; -1563.06,1508.73 v1(-1552.45,1508.74) ; -1561.53,1509.63 v1(-1552.45,1508.74)
N16977241: J16.28 RN9.6 | length 316.7
  TOP w5: RN9.6@-1817.21,1576.16 -1816.59,1575.53 -1785.49,1575.53 -1742.2,1532.24 -1711.64,1532.24 -1705.78,1526.38 ; RN9.6@-1807.53,1572.67 -1786.71,1575.53 ; RN9.6@-1807.32,1579.64 -1786.71,1575.53 ; RN9.6@-1806.99,1572.74 -1800.49,1575.89 ; RN9.6@-1806.74,1579.52 -1800.49,1575.89 ; RN9.6@-1805.24,1573.69 cw(c-1800.78,1569.22) -1800.78,1575.53 ; RN9.6@-1805.24,1578.63 ccw(c-1797.75,1586.12) -1797.75,1575.53 ; J16.28@-1695.67,1524.81 ccw(c-1699.46,1521.01) -1699.46,1526.38 ccw(c-1699.46,1531.75) J16.28@-1695.67,1527.95 ; J16.28@-1694.09,1526.38 -1705.78,1526.38 ; J16.28@-1685.83,1526.38 J16.28@-1666.73,1526.38 J16.28@-1689.96,1526.38 -1705.78,1526.38 ; J16.28@-1684.25,1524.81 cw(c-1680.46,1521.01) -1680.46,1526.38 cw(c-1680.46,1531.75) J16.28@-1684.25,1527.95 ; -1800.49,1575.89 -1807.71,1576.16 -1786.71,1575.53
N16977242: J16.27 RN9.7 | length 1431.4
  TOP w5: RN9.7@-1817.21,1595.84 -1788.3,1595.84 v1@-1786.62,1595.84 ; RN9.7@-1806.89,1592.44 -1801.45,1595.55 ; RN9.7@-1806.89,1599.24 -1801.45,1596.13 ; RN9.7@-1806.58,1592.53 -1801.45,1596.13 ; RN9.7@-1806.58,1599.15 -1801.45,1595.55 ; RN9.7@-1805.24,1593.37 cw(c-1799.26,1587.39) -1799.26,1595.84 cw(c-1799.26,1604.29) RN9.7@-1805.24,1598.31 ; RN9.7@-1801.96,1595.84 ccw(c-1801.96,1609.66) v1@-1792.19,1599.89 ; -1801.19,1595.84 cw(c-1801.19,1583.11) v1@-1792.19,1592.11 ; v1@-1790.19,1601.16 -1797.9,1595.41 ; v1@-1789.96,1590.76 -1798.39,1596.31 ; v1@-1789.63,1601.34 -1798.39,1596.31 ; v1@-1789.54,1590.64 -1797.9,1595.41 ; v1@-1788.99,1601.46 RN9.7@-1811.3,1595.84 ; v1@-1788.92,1590.54 RN9.7@-1811.3,1595.84 ; J16.27@-1599.21,1524.81 ccw(c-1603.01,1521.01) -1603.01,1526.38 ccw(c-1603.01,1531.75) J16.27@-1599.21,1527.95 ; J16.27@-1597.64,1526.38 J16.27@-1616.73,1526.38 J16.27@-1593.5,1526.38 v1@-1568.56,1526.38 ; J16.27@-1587.8,1524.81 cw(c-1584,1521.01) -1584,1526.38 cw(c-1584,1531.75) J16.27@-1587.8,1527.95 ; -1582.71,1526.38 ccw(c-1582.71,1541.75) v1@-1571.83,1530.88 ; -1579.74,1526.38 cw(c-1579.74,1515.2) v1@-1571.83,1523.1 ; v1@-1570.2,1532.01 -1576.85,1526 ; v1@-1569.65,1526.38 J16.27@-1589.37,1526.38 ; v1@-1569.39,1532.3 -1578.73,1526.9 ; v1@-1569.3,1521.66 -1578.73,1526.9 ; v1@-1569.04,1521.6 -1576.85,1526 ; v1@-1568.81,1532.42 J16.27@-1589.37,1526.38 ; v1@-1568.75,1532.43 J16.27@-1590.96,1526.38 ; v1@-1568.49,1521.52 J16.27@-1589.37,1526.38 ; v1@-1568.46,1521.52 J16.27@-1590.96,1526.38 ; RN9.7@-1811.3,1595.84 v1(-1788.3,1596) ; RN9.7@-1807.74,1599.34 v1(-1788.3,1596) ; RN9.7@-1807.74,1599.34 -1788.13,1601.5 RN9.7@-1807.42,1599.33 ; RN9.7@-1807.74,1599.34 -1789.98,1590.76 RN9.7@-1807.42,1599.33 ; RN9.7@-1807.74,1599.34 v1@-1795.05,1597.69 ; RN9.7@-1807.71,1595.84 v1(-1788.3,1596) ; RN9.7@-1807.71,1595.84 -1789.12,1601.44 RN9.7@-1807.71,1595.84 ; RN9.7@-1807.71,1595.84 -1789.03,1590.55 RN9.7@-1807.71,1595.84 ; RN9.7@-1807.71,1595.84 v1(-1788.3,1596) ; RN9.7@-1807.71,1595.84 v1@-1786.71,1595.84 ; RN9.7@-1807.71,1595.84 v1@-1795.05,1597.69 ; RN9.7@-1807.71,1595.84 -1801.45,1596.13 ; RN9.7@-1807.71,1595.84 -1801.45,1595.55 ; RN9.7@-1807.42,1592.35 v1(-1788.3,1596) ; RN9.7@-1807.42,1592.35 -1790.08,1601.2 RN9.7@-1806.74,1592.48 ; RN9.7@-1807.42,1592.35 -1788.04,1590.51 RN9.7@-1806.74,1592.48 ; RN9.7@-1807.42,1592.35 v1@-1786.71,1595.84 ; RN9.7@-1807.42,1599.33 v1(-1788.3,1596) ; RN9.7@-1807.42,1599.33 v1@-1786.71,1595.84 ; RN9.7@-1806.74,1592.48 v1(-1788.3,1596) ; RN9.7@-1806.74,1592.48 v1@-1795.05,1597.69 ; -1798.39,1596.31 v1(-1788.3,1596) ; -1797.9,1595.41 v1(-1788.3,1596) ; J16.27@-1590.96,1526.38 v1(-1567.94,1526.99) ; J16.27@-1589.37,1526.38 v1(-1567.94,1526.99) ; -1578.73,1526.9 v1(-1567.94,1526.99) ; -1576.85,1526 v1(-1567.94,1526.99)
  BOTTOM w5: v1@-1788.3,1590.5 cw(c-1788.3,1577.22) -1778.91,1586.61 cw(c-1769.52,1596) v1@-1782.8,1596 ; v1(-1788.3,1596) -1770.46,1578.17 -1770.46,1552.97 -1744.74,1527.24 -1568.19,1527.24 v1(-1567.94,1526.99) ; -1581.82,1527.24 cw(c-1581.82,1513.11) v1@-1571.83,1523.1 ; -1580.62,1527.24 ccw(c-1580.62,1539.67) v1@-1571.83,1530.88 ; v1@-1569.91,1521.85 -1577.41,1527.66 ; v1@-1569.54,1532.25 -1578.17,1526.76 ; v1@-1569.3,1521.66 -1578.17,1526.76 ; v1@-1569.16,1532.36 -1577.41,1527.66 ; v1@-1568.66,1521.54 -1590.95,1527.24 ; v1@-1568.54,1532.46 -1590.95,1527.24 ; -1590.95,1527.24 v1(-1567.94,1526.99) ; -1578.17,1526.76 v1(-1567.94,1526.99) ; -1577.41,1527.66 v1(-1567.94,1526.99)